# Altium PCB balenaFin_v1_x_x.PcbDoc (part 1 of 7) (continued)
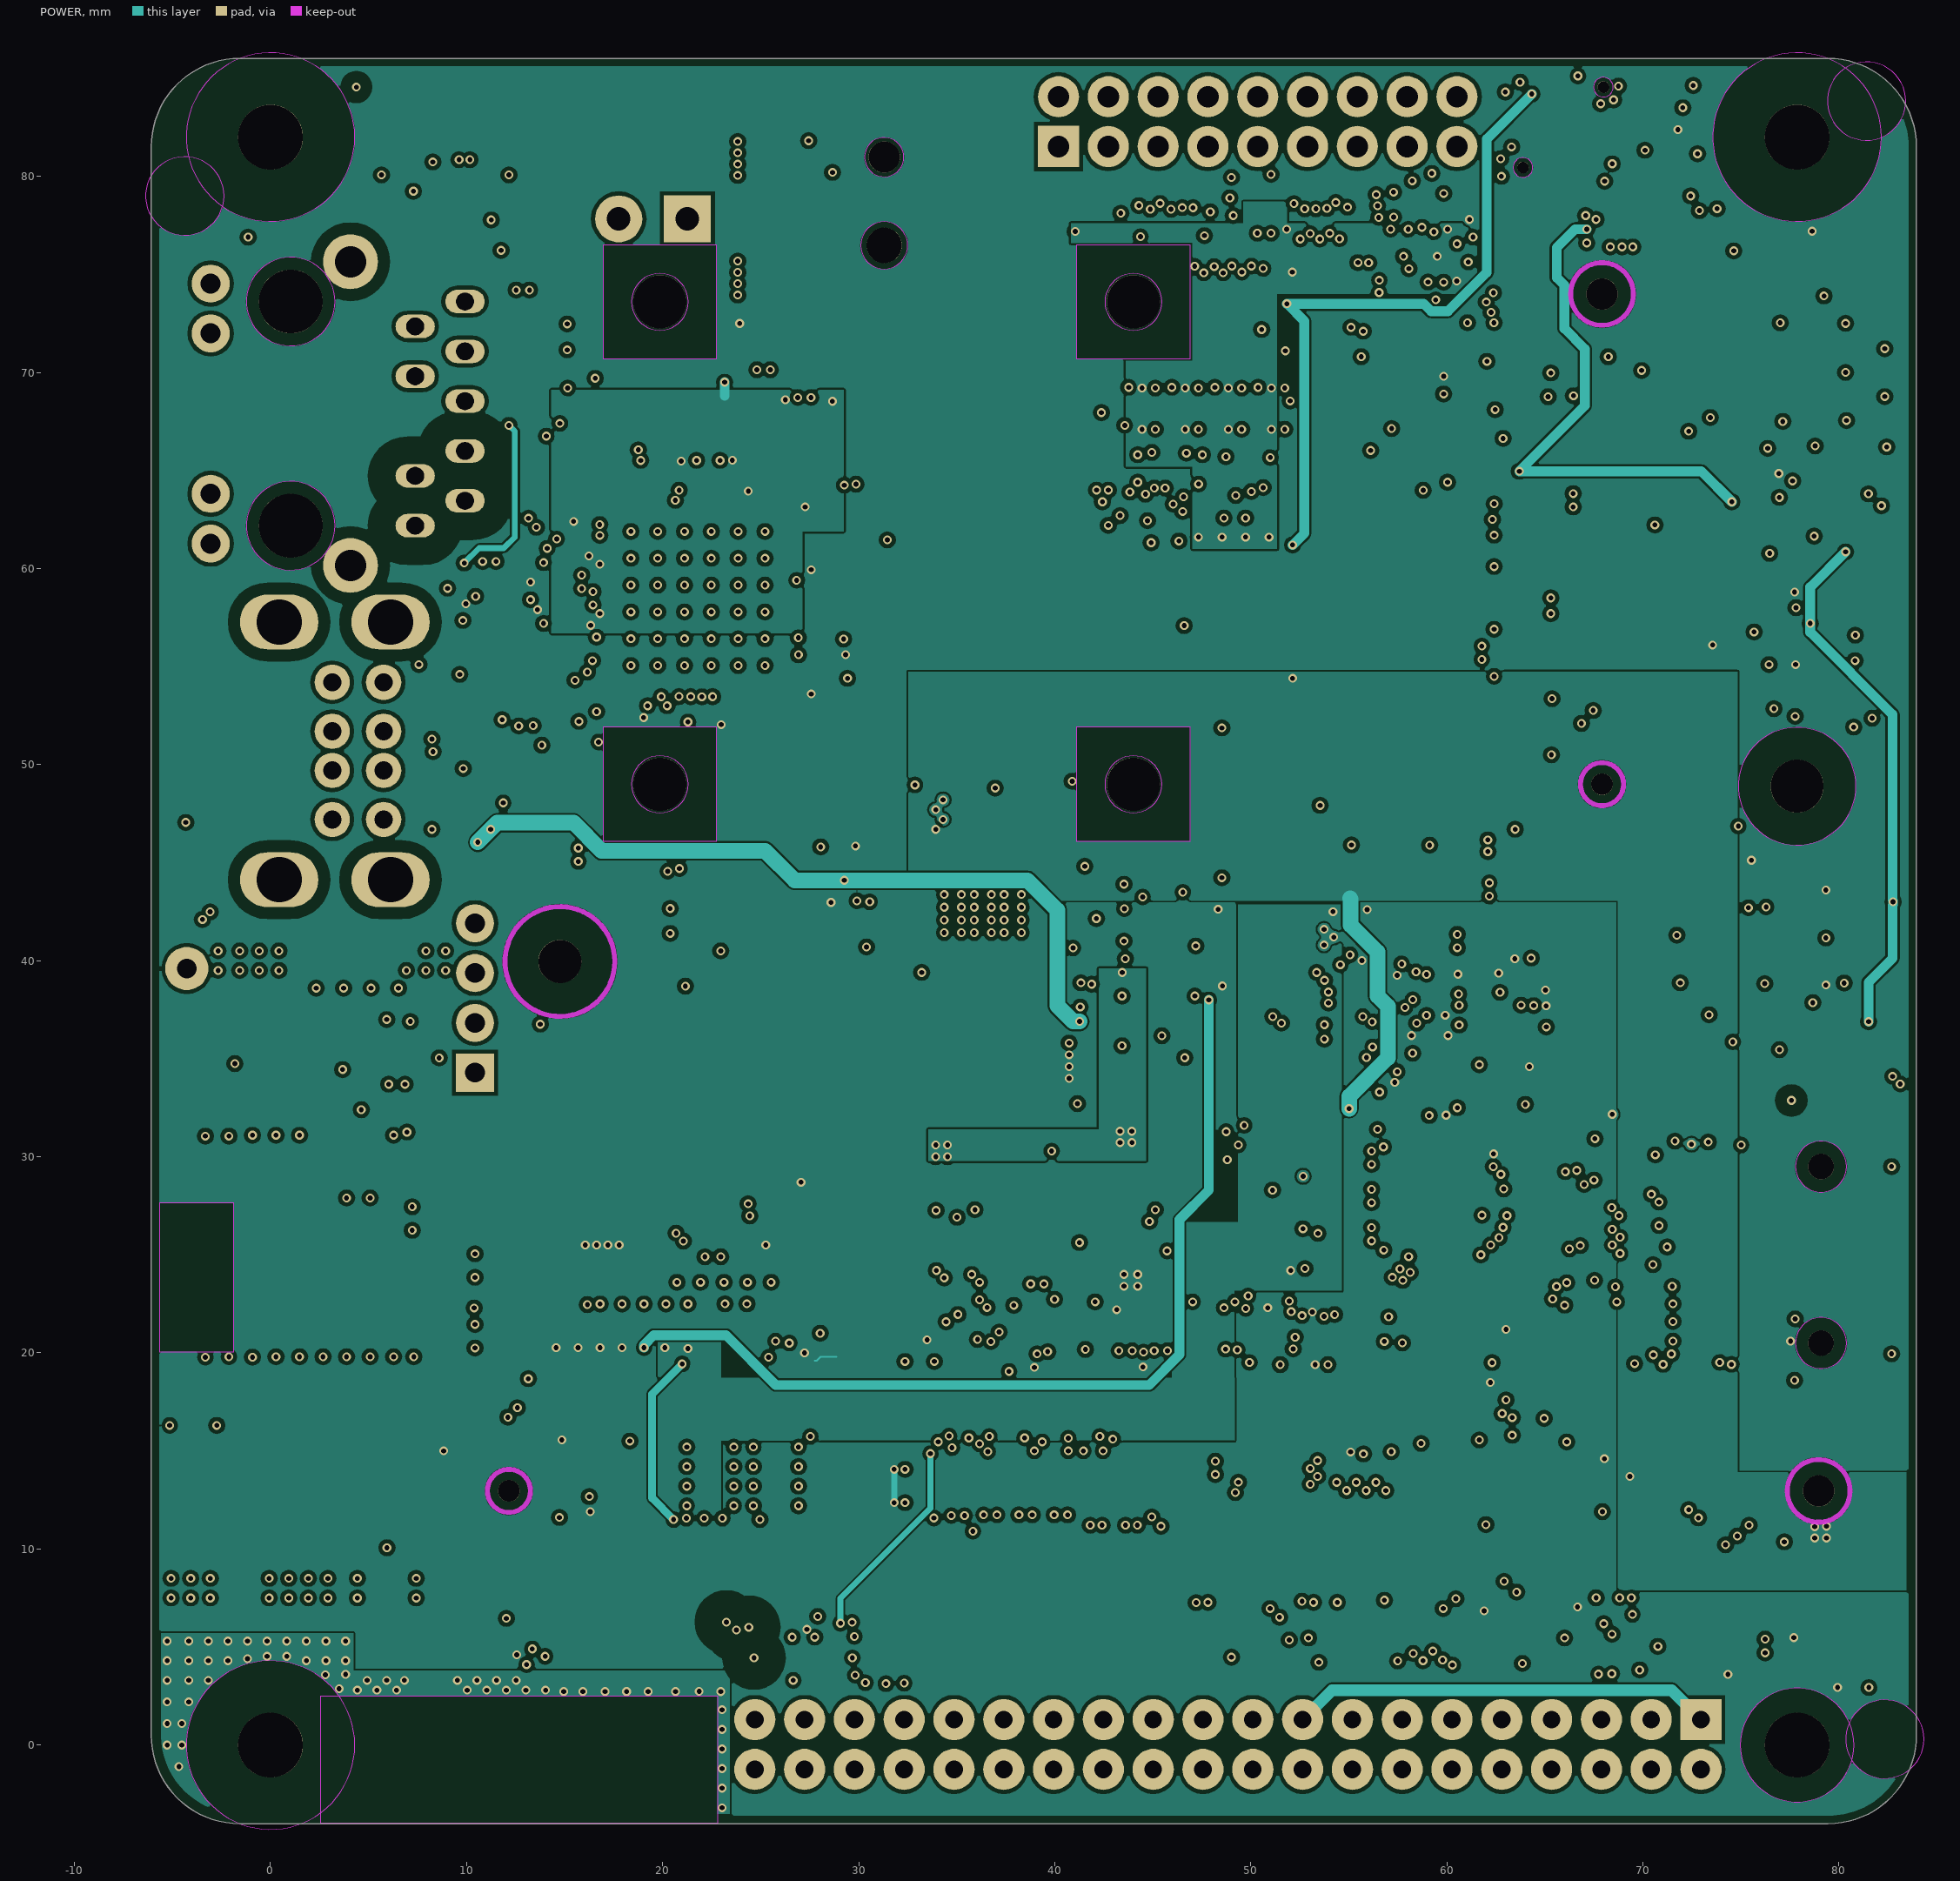
[diagram p7: POWER]

## Layer stack, top to bottom
Top Solder: solder mask 0.0102, Solder Resist, Dk 3.5
TOP: signal copper 0.018
Dielectric 1: core 0.13, FR-4, Dk 4.5
GND: signal copper 0.018
Dielectric2: core 0.254, FR-4, Dk 4.5
INT1: signal copper 0.018
Dielectric3: core 0.165, FR-4, Dk 4.5
INT2: signal copper 0.018
Dielectric4: core 0.254, FR-4, Dk 4.5
INT3: signal copper 0.018
Dielectric5: core 0.165, FR-4, Dk 4.5
INT4: signal copper 0.018
Dielectric6: core 0.254, FR-4, Dk 4.5
POWER: signal copper 0.018
Dielectric7: core 0.13, FR-4, Dk 4.5
BOTTOM: signal copper 0.018
Bottom Solder: solder mask 0.0102, Solder Resist, Dk 3.5

## Board outline
-1.57,86.013 79.43,86.013 cw(c79.43,81.5) 83.943,81.5 83.943,0.5 cw(c79.43,0.5) 79.43,-4.013 -1.57,-4.013 cw(c-1.57,0.5) -6.083,0.5 -6.083,81.5 cw(c-1.57,81.5)

## Design rules (kind name [scope] priority, off if disabled: settings)
AssemblyTestPointUsage [All] p1: allowmultiple=TRUE
AssemblyTestpoint [All] p1: testpointundercomponent=TRUE minsize=1 maxsize=2.54 preferedsize=1 minholesize=0 maxholesize=1.016 preferedholesize=0 testpointgrid=0.025 usegrid=TRUE gridtolerance=0 allowsidetop=TRUE allowsidebottom=TRUE
BoardOutlineClearance [All] p1 off: gap=0.4 ignorepadtopadclearanceinfootprint=FALSE
Clearance Clearance_PoE [InNetClass('PoE') vs InPolygon] p1: gap=1.4 ignorepadtopadclearanceinfootprint=FALSE
Clearance Clearance_Shield [InNetClass('Shield') vs InPolygon] p2: gap=0.6 ignorepadtopadclearanceinfootprint=FALSE
Clearance Clearance_RF [InNetClass('RF') vs InPolygon] p3: gap=0.28 ignorepadtopadclearanceinfootprint=FALSE
Clearance Clearance_GND_Earth [InNet('GND_EARTH') vs InPolygon] p4: gap=0.6 ignorepadtopadclearanceinfootprint=FALSE
Clearance Clearance_fiucials [InComponentClass('Fiducials')] p5: gap=0 ignorepadtopadclearanceinfootprint=FALSE
Clearance Clearance_keepout [All vs IsKeepOut] p6: gap=0 ignorepadtopadclearanceinfootprint=FALSE
Clearance Clearance_arc [All vs (IsArc AND OnLayer('multi-Layer'))] p7: gap=0 ignorepadtopadclearanceinfootprint=FALSE
Clearance Clearance_Poly_Pad [IsPad or IsVia vs InPolygon] p8: gap=0.2 ignorepadtopadclearanceinfootprint=FALSE
Clearance Clearance_Poly_Track [All vs InPolygon] p9: gap=0.1 ignorepadtopadclearanceinfootprint=FALSE
Clearance Clearance_USB_Diode [InNetClass('USB') vs InComponentClass('TPD3E001D')] p10: gap=0.05 ignorepadtopadclearanceinfootprint=FALSE
Clearance [All] p11: gap=0.1 ignorepadtopadclearanceinfootprint=FALSE
ComponentClearance [All] p1 off: gap=0.254 collisioncheckmode=3 verticalgap=0.254 showdistances=FALSE
FabricationTestPointUsage [All] p1: valid=0 allowmultiple=TRUE
FabricationTestpoint [(IsPad And (OnTopLayer Or OnBottomLayer))] p1: side=3 testpointundercomponent=TRUE minsize=1 maxsize=2 preferedsize=1 minholesize=0 maxholesize=1 preferedholesize=0 testpointgrid=0.025 allowsidetop=TRUE allowsidebottom=TRUE usegrid=TRUE gridtolerance=0
HoleSize [All] p1: absolutevalues=TRUE maxlimit=4 minlimit=0.025 maxpercent=80.000 minpercent=20.000
MinimumSolderMaskSliver MinimumSolderMaskSliver_via-pad [isVia vs IsPad] p1 off: minsoldermaskwidth=0
MinimumSolderMaskSliver [All] p2 off: minsoldermaskwidth=0.06
PlaneClearance [All] p1: clearance=0.2
PlaneConnect [All] p1: planeconnectstyle=Direct reliefexpansion=0.508 reliefentries=4 reliefconductorwidth=0.254 reliefairgap=0.254
PolygonConnect PolygonConnect_Power [(InComponentClass('02 - POWER')) or (InComponentClass('10 - ETHERNET'))] p1: connectstyle=Direct reliefconductorwidth=0.2 reliefentries=4 polygonreliefangle="90 Angle" airgapwidth=0.2
PolygonConnect [All] p2: thpad.connectstyle=Direct thpad.reliefconductorwidth=0.2 thpad.reliefentries=4 thpad.polygonreliefangle="90 Angle" thpad.airgapwidth=0.2 smdpad.connectstyle=Relief smdpad.reliefconductorwidth=0.2 smdpad.reliefentries=4 smdpad.polygonreliefangle="90 Angle" smdpad.airgapwidth=0.2 via.connectstyle=Direct via.reliefconductorwidth=0.254 via.reliefentries=4 via.polygonreliefangle="90 Angle" via.airgapwidth=0.254
RoutingVias [All] p1: holewidth=0.711 width=1.27 viastyle="Through Hole" minholewidth=0.711 minwidth=1.27 maxholewidth=0.711 maxwidth=1.27
SilkToSilkClearance [All] p1 off: silktosilkclearance=0.254
SilkToSolderMaskClearance [IsPad] p1 off: minsilkscreentomaskgap=0.254 clearancetoexposedcopper=TRUE
SolderMaskExpansion [All] p1: expansion=0.102
Width [All] p1: maxlimit=3 minlimit=0.1 preferedwidth=0.254
19 further rules are at their usual default settings.

## Classes and differential pairs
net class USB: D+_DBG D+_HOST1 D+_HOST2 D+_HOST_INT D-_DBG D-_HOST1 D-_HOST2 D-_HOST_INT DBG_UP-RX_DEV-TX DBG_UP-RX_DEV-TX_EXT DBG_UP-TX_DEV-RX DBG_UP-TX_DEV-RX_EXT USB_DBG_D+ USB_DBG_D- USB_DM USB_DP USB_HOST1_CTRL USB_HOST1_D+ USB_HOST1_D- USB_HOST2_CTRL USB_HOST2_D+ USB_HOST2_D- USB_HOST_INT_CTRL USB_HUB_D+ USB_HUB_D- USB_INT+ USB_INT- USB_MPCIE_D+ USB_MPCIE_D-
component class TPD3E001D: TVS3 TVS4 TVS5 TVS17 TVS19
net class RF: NetANT1_2 NetJ9_1 NetL10_2 RF_OUT_50OHM
component class Fiducial: FID1 FID2 FID3 FID4 FID5 FID6
net class Shield: NetC8_2 NetC89_2
net class PoE: TR00 TR01 TR02 TR03
component class "00 - REVISION": FID1 FID2 FID3 FID4 FID5 FID6
component class "10 - ETHERNET": C134 C135 C136 C137 C138 C139 C140 C147 C148 C170 C171 C172 C173 C174 C175 C176 C177 C178 C179 C180 C181 C182 C183 C184 C185 C186 C187 J20 J24 L20 L21 LD12 LD13 LD14 R162 R163 R164 R165 R169 R170 R171 R174 R175 R177 R200 R201 R202 R203 R204 R205 R206 R207 R208 R209 R212 R307 R308 TP65 TP66 TP67 TP68 TP69 U19 U22 Y2
component class "09 - mPCIE": C115 C116 C117 C118 C119 C120 C121 C122 C123 C124 C153 C154 C155 C156 C205 C206 C207 C208 C209 C211 J19 J22 LD9 LD10 LD11 R142 R143 R144 R145 R146 R147 R148 R185 R186 R187 R188 R246 R247 R248 R249 R250 TP46 TP47 TP49 TP50 TP55 TP56 TP57 TP58 TP64 TVS17
component class "08 - HAT": C113 C114 F3 F4 J18 TVS15 TVS16
component class "07 - eMMC": C107 C108 C109 C110 C111 C112 R133 R134 R135 R136 R137 R138 R139 R140 TP41 U17
component class "06 - MCU": C91 C92 C93 C204 C241 C242 DS7 DS8 DS9 DS10 DS25 DS26 DS27 DS28 F2 J14 LD8 MOD2 Q18 R118 R119 R121 R123 R128 R132 R229 R230 R231 R232 R233 R234 R235 R236 R282 R283 R284 R285 R286 R287 R288 R289 R297 R298 R311 R312 R313 R314 R315 RR2 RR3 RR4 RR13 RR14 TP70 TP71 TP72 TP84 TVS6 TVS7 TVS18 U25 U29 U30
component class "05 - USB": C63 C64 C68 C69 C70 C71 C75 C76 C77 C78 C79 C85 C86 C87 C88 C89 C232 C234 C235 C236 C237 C238 C239 C240 J11 J13 J23 LD15 LD16 LD18 Q6 R91 R92 R96 R108 R109 R113 R114 R115 R116 R117 R153 R210 R211 R294 R295 R296 TVS3 TVS4 TVS5 TVS19 U10 U12 U13 U28
component class "04 - MIPI INTERFACE": C11 C12 C61 C243 C244 C245 DS1 DS4 DS5 DSW2 J3 J10 L2 L3 L4 L11 L12 L13 Q20 Q21 R7 R10 R23 R24 R25 R26 R81 R82 R83 R84 R85 R86 R87 R88 R309 R316 R317 R318 R319 TVS2 U31 U32 U33
component class "03 - WIFI - BLE": ANT1 C60 C189 C190 C191 C192 C193 C194 C195 C196 C197 C198 C199 C201 C202 C210 C231 DSW1 J9 L10 L22 MOD1 R218 R219 R220 R221 R222 R224 R240 R275 RR15 U26 Y5
component class "02 - POWER": C27 C28 C39 C40 C42 C43 C149 C150 C151 C152 C212 C213 C214 C215 C216 C217 C218 C219 C220 C221 C222 C223 C224 C225 C226 C227 C228 C229 C230 DS2 DS3 DS32 DS33 F1 J7 J21 L23 L24 LD4 LD5 Q13 Q14 Q15 Q16 Q17 R35 R37 R42 R46 R49 R52 R66 R67 R180 R182 R251 R252 R253 R254 R255 R256 R257 R258 R259 R260 R262 R263 R264 R265 R266 R267 R268 R269 R270 R271 R272 R273 R274 TP21 TVS1 U2 U5 U6 U20 U27 XJ21
component class "01 - CML3 CONNECTOR": BAT1 C1 C2 C3 C4 C5 C6 C7 C8 C9 C10 C13 C14 C15 C16 C17 C18 C19 C20 C21 C22 C23 C24 C25 C26 C188 J1 J2 L1 LD17 Q1 Q2 Q3 R1 R2 R3 R4 R5 R6 R8 R9 R11 R12 R13 R14 R15 R16 R17 R18 R19 R20 R21 R22 R28 R29 R31 R32 R183 R184 R237 R243 R244 R245 R293 TP1 TP2 TP3 TP4 TP5 TP6 TP59 TP60 TP61 TP62 TP63 U1 U23 XBAT1 Y4

## Components (designator, comment, footprint, x,y, rotation, side; value= is the part's Value field where it differs from the comment)
ANT1 "AH104N2450D1-T" ANT-AH104N 8.56,-1 r180 top locked
BAT1 "SMTU1225-LF" BAT-SMTU1225 57.117,59.15 r180 top locked
C1 "10nF/50V" CS-C-0402#1 76.8,21.28 r90 bottom locked
C2 "10uF/6.3V-X5R" CS-C-0402#1 75.68,21.28 r90 bottom locked
C3 "100nF/50V" CS-C-0402#1 76.66,36.69 r0 top locked
C4 "100nF/50V" CS-C-0402#1 66,6.59 r90 bottom locked
C5 "10uF/6.3V-X5R" CS-C-0402#1 65.81,21.28 r90 bottom locked
C6 "100nF/50V" CS-C-0402#1 61.24,6.39 r90 bottom locked
C7 "10uF/6.3V-X5R" CS-C-0402#1 61.05,21.28 r90 bottom locked
C8 "10nF/1kV" CS-C-1206#1 80.87,35.73 r180 top locked
C9 "100nF/50V" CS-C-0402#1 66.66,22.49 r270 top locked
C10 "100nF/50V" CS-C-0402#1 69.3,22.49 r270 top locked
C11 "100nF/50V" CS-C-0402#1 58.46,32.68 r270 top locked
C12 "100nF/50V" CS-C-0402#1 57.34,32.68 r270 top locked
C13 "100nF/50V" CS-C-0402#1 21.29,5.49 r90 bottom locked
C14 "10uF/6.3V-X5R" CS-C-0402#1 21.29,21.38 r90 bottom locked
C15 "100nF/50V" CS-C-0402#1 20.17,5.49 r90 bottom locked
C16 "10uF/6.3V-X5R" CS-C-0402#1 20.17,21.38 r90 bottom locked
C17 "100nF/50V" CS-C-0402#1 19.05,5.49 r90 bottom locked
C18 "10uF/6.3V-X5R" CS-C-0402#1 19.05,21.38 r90 bottom locked
C19 "100nF/50V" CS-C-0402#1 17.93,5.49 r90 bottom locked
C20 "10uF/6.3V-X5R" CS-C-0402#1 17.93,21.38 r90 bottom locked
C21 "100nF/50V" CS-C-0402#1 16.81,5.49 r90 bottom locked
C22 "10uF/6.3V-X5R" CS-C-0402#1 16.81,21.38 r90 bottom locked
C23 "100nF/50V" CS-C-0402#1 15.69,5.49 r90 bottom locked
C24 "10uF/6.3V-X5R" CS-C-0402#1 15.69,21.38 r90 bottom locked
C25 "100nF/50V" CS-C-0402#1 14.57,5.49 r90 bottom locked
C26 "10uF/6.3V-X5R" CS-C-0402#1 14.57,21.38 r90 bottom locked
C27 "1uF/16V-X5R" CS-C-0402#1 52.74,49.4 r270 top locked
C28 "1uF/16V-X5R" CS-C-0402#1 49.34,51.42 r90 top locked
C39 "1uF/16V-X5R" CS-C-0402#1 52.74,41.76 r270 top locked
C40 "1uF/16V-X5R" CS-C-0402#1 49.34,43.78 r90 top locked
C42 "1uF/16V-X5R" CS-C-0402#1 60.24,42.72 r270 top locked
C43 "1uF/16V-X5R" CS-C-0402#1 56.84,44.74 r90 top locked
C60 "DNP" CS-C-0402#1 8.12,3.06 r180 top locked
C61 "100nF/50V" CS-C-0402#1 58.37,17.36 r180 top locked
C63 "100nF/50V" CS-C-0402#1 10.12,46.7 r180 top locked
C64 "100nF/50V" CS-C-0402#1 10.12,51.92 r180 top locked
C68 "DNP" CS-C-0402#1 9.07,47.69 r270 bottom locked
C69 "DNP" CS-C-0402#1 9.07,49.91 r90 bottom locked
C70 "100nF/50V" CS-C-0402#1 8.233,52.5 r270 top locked
C71 "10nF/1kV" CS-C-1206#1 3.07,65.95 r0 bottom locked
C75 "100nF/50V" CS-C-0402#1 13.11,53.34 r0 top locked
C76 "100nF/50V" CS-C-0402#1 11.75,58.58 r180 top locked
C77 "DNP" CS-C-0402#1 9.07,51.93 r270 bottom locked
C78 "DNP" CS-C-0402#1 9.07,54.15 r90 bottom locked
C79 "100nF/50V" CS-C-0402#1 8.233,54.65 r90 top locked
C85 "100nF/50V" CS-C-0402#1 12.6,58.86 r270 bottom locked
C86 "DNP" CS-C-0402#2 8.86,78.97 r0 bottom locked
C87 "DNP" CS-C-0402#1 10.88,78.97 r0 bottom locked
C88 "100nF/50V" CS-C-0402#1 11.33,78.58 r0 top locked
C89 "10nF/1kV" CS-C-1206#2 6.78,84.26 r0 bottom locked
C91 "100nF/50V" CS-C-0402#1 -3.39,32.74 r0 bottom locked
C92 "100nF/50V" CS-C-0402#2 -1.37,32.74 r0 bottom locked
C93 "10uF/6.3V-X5R" CS-C-0402#2 -1.37,33.86 r0 bottom locked
C107 "1uF/16V-X5R" CS-C-0402#1 66.7,31.37 r90 bottom locked
C108 "100nF/50V" CS-C-0402#1 65.5,31.37 r90 bottom locked
C109 "100nF/50V" CS-C-0402#1 59.03,35.73 r90 top locked
C110 "2.2uF/6.3V-X5R" CS-C-0402#1 64.32,38.95 r270 top locked
C111 "100nF/50V" CS-C-0402#1 63.94,36.52 r0 top locked
C112 "2.2uF/6.3V-X5R" CS-C-0402#1 61.72,38.86 r90 top locked
C113 "10uF/10V-X5R" CS-C-0603#1 80.72,3.69 r0 bottom locked
C114 "10uF/10V-X5R" CS-C-0603#1 81.73,9.8 r0 top locked
C115 "10uF/10V-X5R" CS-C-0603#2 65.425,78.355 r0 bottom locked
C116 "10uF/10V-X5R" CS-C-0603#1 59.535,78.355 r0 bottom locked
C117 "100nF/50V" CS-C-0402#1 63.14,78.715 r90 bottom locked
C118 "100nF/50V" CS-C-0402#1 61.82,78.715 r90 bottom locked
C119 "100nF/50V" CS-C-0402#1 75.13,66.13 r0 bottom locked
C120 "100nF/50V" CS-C-0402#1 75.13,64.81 r0 bottom locked
C121 "100nF/50V" CS-C-0402#2 75.03,54.17 r0 bottom locked
C122 "100nF/50V" CS-C-0402#2 75.03,52.85 r0 bottom locked
C123 "100nF/50V" CS-C-0402#1 61.73,44.93 r0 bottom locked
C124 "100nF/50V" CS-C-0402#2 63.93,44.93 r0 bottom locked
C134 "10nF/1kV" CS-C-1206#1 5.26,41 r180 top locked
C135 "22nF/50V" CS-C-0603#1 15.13,65.1 r0 bottom locked
C136 "15pF/50V-NP0" CS-C-0402#1 13.62,72.47 r0 bottom locked
C137 "15pF/50V-NP0" CS-C-0402#1 13.62,71.15 r0 bottom locked
C138 "15pF/50V-NP0" CS-C-0402#1 13.62,68.71 r0 bottom locked
C139 "15pF/50V-NP0" CS-C-0402#1 13.62,67.29 r0 bottom locked
C140 "100nF/50V" CS-C-0402#1 25.84,46.03 r0 top locked
C147 "33pF/50V-C0G" CS-C-0402#1 22.59,68.26 r270 top locked
C148 "33pF/50V-C0G" CS-C-0402#1 17.27,68.26 r90 top locked
C149 "1uF/16V-X5R" CS-C-0402#1 44.02,24.87 r0 top locked
C150 "10uF/6.3V-X5R" CS-C-0402#1 44.22,28.77 r0 top locked
C151 "10uF/6.3V-X5R" CS-C-0402#1 44.22,29.89 r0 top locked
C152 "100nF/50V" CS-C-0402#1 41.23,29.22 r90 top locked
C153 "33pF/50V-C0G" CS-C-0402#1 81.63,72.5 r0 bottom locked
C154 "33pF/50V-C0G" CS-C-0402#1 81.73,70 r0 bottom locked
C155 "33pF/50V-C0G" CS-C-0402#1 81.73,67.5 r0 bottom locked
C156 "33pF/50V-C0G" CS-C-0402#1 78.33,67.5 r0 bottom locked
C170 "100nF/50V" CS-C-0402#1 15.13,60.3 r0 bottom locked
C171 "100nF/50V" CS-C-0402#1 15.23,57.7 r0 bottom locked
C172 "100nF/50V" CS-C-0402#1 27.27,64.4 r270 top locked
C173 "100nF/50V" CS-C-0402#1 25.03,64.4 r270 top locked
C174 "100nF/50V" CS-C-0402#1 23.13,64.4 r270 top locked
C175 "100nF/50V" CS-C-0402#1 21.53,64.4 r270 top locked
C176 "100nF/50V" CS-C-0402#1 16.63,64.4 r270 top locked
C177 "100nF/50V" CS-C-0402#1 28.03,60.6 r0 top locked
C178 "100nF/50V" CS-C-0402#1 28.03,59.3 r0 top locked
C179 "100nF/50V" CS-C-0402#1 28.03,54.4 r0 top locked
C180 "100nF/50V" CS-C-0402#1 22.33,52.7 r180 top locked
C181 "100nF/50V" CS-C-0402#1 17.73,52.7 r180 top locked
C182 "100nF/50V" CS-C-0402#1 28.03,56.8 r0 top locked
C183 "100nF/50V" CS-C-0402#1 15.23,55.3 r0 bottom locked
C184 "4.7uF/6.3V-X5R" CS-C-0402#1 28.03,58.1 r0 top locked
C185 "1uF/16V-X5R" CS-C-0402#1 19.03,64.4 r270 top locked
C186 "100nF/50V" CS-C-0402#1 28.03,61.8 r0 top locked
C187 "10nF/50V" CS-C-0402#1 15.23,56.5 r0 bottom locked
C188 "100nF/50V" CS-C-0402#1 51.84,72.22 r270 top locked
C189 "10uF/6.3V-X5R" CS-C-0402#1 31.91,11.59 r180 top locked
C190 "10uF/6.3V-X5R" CS-C-0402#1 26.79,7.94 r270 top locked
C191 "10uF/6.3V-X5R" CS-C-0402#1 16.97,12.22 r270 top locked
C192 "10uF/6.3V-X5R" CS-C-0402#1 31.91,14.72 r180 top locked
C193 "10uF/6.3V-X5R" CS-C-0402#1 28.19,19.56 r270 top locked
C194 "10uF/6.3V-X5R" CS-C-0402#1 27.91,7.94 r90 top locked
C195 "10uF/6.3V-X5R" CS-C-0402#1 31.91,16.22 r180 top locked
C196 "10uF/6.3V-X5R" CS-C-0402#1 19.47,19.09 r0 top locked
C197 "10uF/6.3V-X5R" CS-C-0402#1 26.61,4.39 r90 bottom locked
C198 "10uF/6.3V-X5R" CS-C-0402#1 27.73,4.39 r90 bottom locked
C199 "10uF/6.3V-X5R" CS-C-0402#1 29.03,7.94 r90 top locked
C201 "DNP" CS-C-0402#1 8.12,6.2 r180 top locked
C202 "0.6pF/50V-C0G" CS-C-0402#1 8.57,4.63 r270 top locked
C204 "100nF/50V" CS-C-0402#1 69.33,82.83 r90 bottom
C205 "100uF/10V-X5R" CS-C-1210#1 80.63,55.2 r0 bottom locked
C206 "100uF/10V-X5R" CS-C-1210#1 80.63,59.3 r0 bottom locked
C207 "22uF/25V-X5R" CS-C-1206#2 76.13,74.6 r0 bottom locked
C208 "22uF/25V-X5R" CS-C-1206#1 73.03,42.8 r270 bottom locked
C209 "22uF/25V-X5R" CS-C-1206#1 75.53,42.8 r270 bottom locked
C210 "100nF/50V" CS-C-0402#1 13.83,11.3 r90 top locked
C211 "100nF/50V" CS-C-0402#1 71.53,54.2 r0 top locked
C212 "DNP" CS-C-0402#1 44.93,45.08 r180 top locked
C213 "220pF/50V" CS-C-0402#1 46.53,44.6 r270 top locked
C214 "10nF/50V" CS-C-0402#1 46.03,42.84 r180 top locked
C215 "10nF/50V" CS-C-0402#1 44.83,41.72 r180 top locked
C216 "220pF/50V" CS-C-0402#1 46.53,41.2 r270 top locked
C217 "DNP" CS-C-0402#1 46.03,39.48 r180 top locked
C218 "DNP" CS-C-0402#1 37.33,39.2 r180 top locked
C219 "DNP" CS-C-0402#1 34.73,39.2 r0 top locked
C220 "4.7pF/50V-C0G" CS-C-0402#1 40.33,41.1 r90 top locked
C221 "4.7pF/50V-C0G" CS-C-0402#1 40.33,43.7 r270 top locked
C222 "22uF/25V-X5R" CS-C-1206#1 33.605,47.5 r180 top locked
C223 "100nF/50V" CS-C-0603#1 34.33,45.5 r180 top locked
C224 "22uF/25V-X5R" CS-C-1206#1 38.605,47.5 r0 top locked
C225 "100nF/50V" CS-C-0603#1 37.88,45.5 r0 top locked
C226 "1uF/16V-X5R" CS-C-0402#1 39.85,39 r0 top locked
C227 "22uF/10V/X5R" CS-C-0603#1 37.73,33.3 r180 top locked
C228 "22uF/10V/X5R" CS-C-0603#1 37.73,31.9 r180 top locked
C229 "22uF/10V/X5R" CS-C-0603#1 34.53,33.3 r0 top locked
C230 "22uF/10V/X5R" CS-C-0603#1 34.53,31.9 r0 top locked
C231 "10nF/50V" CS-C-0402#1 20.68,21.35 r180 top locked
C232 "100uF/10V-X5R" CS-C-1210#1 -2.67,53.6 r0 bottom locked
C234 "100uF/10V-X5R" CS-C-1210#1 -2.67,49.9 r0 bottom locked
C235 "100nF/50V" CS-C-0402#1 28.24,40.08 r0 top locked
C236 "100nF/50V" CS-C-0402#1 13.84,33.32 r90 top locked
C237 "DNP" CS-C-0402#1 12.47,44.54 r270 top locked
C238 "DNP" CS-C-0402#1 12.47,46.36 r90 top locked
C239 "100nF/50V" CS-C-0402#1 12.62,33.32 r90 top locked
C240 "100uF/10V-X5R" CS-C-1210#2 29.36,31.86 r0 top locked
C241 "100nF/50V" CS-C-0402#1 24.56,25.3 r270 top locked
C242 "100nF/50V" CS-C-0402#1 62.15,75.42 r90 top locked
C243 "100nF/50V" CS-C-0402#1 55.86,38.8 r270 bottom locked
C244 "100nF/50V" CS-C-0402#1 32.76,18.1 r270 top locked
C245 "100nF/50V" CS-C-0402#1 38.68,18 r270 top locked
DS1 "BAV99BRVA-7" SOT563 46.21,18.17 r90 top locked
DS2 "CDBC560-G" SMC 33.02,66.29 r90 top locked
DS3 "CDBC560-G" SMC 40.02,66.29 r90 top locked
DS4 "BAV99BRVA-7" SOT563 53.28,21.96 r180 top locked
DS5 "BAV99BRVA-7" SOT563 53.28,19.34 r0 top locked
DS7 "BAV99BRVA-7" SOT563 51.05,67.12 r0 top locked
DS8 "BAV99BRVA-7" SOT563 48.85,67.12 r0 top locked
DS9 "BAV99BRVA-7" SOT563 46.65,67.12 r0 top locked
DS10 "BAV99BRVA-7" SOT563 44.45,67.12 r0 top locked
DS25 "BAV99BRVA-7" SOT563 51.05,69.22 r0 top locked
DS26 "BAV99BRVA-7" SOT563 48.85,69.22 r180 top locked
DS27 "BAV99BRVA-7" SOT563 46.65,69.22 r180 top locked
DS28 "BAV99BRVA-7" SOT563 44.45,69.22 r180 top locked
DS32 "1A/60V" SMA 33.53,54.8 r270 top locked
DS33 "1A/60V" SMA 14.46,78.06 r90 bottom locked
DSW1 "CHS-01TB" DSS-CHS-01TB#1 2.13,8 r90 top locked
DSW2 "CHS-01TB" DSS-CHS-01TB#2 52.26,35.04 r0 bottom locked
F1 "0154003-DR" F-LT154 36.72,59.14 r0 top locked
F2 "0.1A/15V" FS-0603#1 40.1,78.04 r270 top locked
F3 "0.5A/6V" FS-0603#2 77.68,3.69 r0 bottom locked
F4 "0154003-DR" F-LT154 77.83,6.2 r0 top locked
FID1 "TPS" FIDUCIAL -4.37,79 r0 top locked
FID2 "TPS" FIDUCIAL 82.33,0.3 r0 top locked
FID3 "TPS" FIDUCIAL 82.33,0.3 r0 bottom locked
FID4 "TPS" FIDUCIAL -4.37,79 r0 bottom locked
FID5 "TPS" FIDUCIAL 81.4,83.84 r0 top locked
FID6 "TPS" FIDUCIAL 81.4,83.84 r0 bottom locked
J1 "HDMI-TypeA" J-19-0050-FOS-HDMI-A-CNCTECH 79.98,25 r90 top locked
J2 "SODIMM-CM3L-1473005-4" J-200-0060-MOS-1473005-4 45.56,13.06 r0 bottom locked
J3 "1-1734248-5" J-15X2-0100-FDS-ZIF 68.158,41 r90 top locked
J7 "PJ-002AH-SMT" J-CUPJ002AH 31.3,80.98 r270 top locked
J9 "uFL-R-SMT-1-10" J-3-MDS-UFL 12.14,6.46 r180 top locked
J10 "1-1734248-5" J-15X2-0100-FDS-ZIF 62.288,24.5 r90 top locked
J11 "USB TYPE A - 1002-004-01010" J-8-0200-FOT-USB-A-2X 5.77,50.7 r90 top locked
J13 "MICROUSB-B" J-5-0065-FOS-MICROUSB10118192 9.56,82 r180 top locked
J14 "PIN-HEADER-uC" J-9X2-0254-MDT 40.19,81.52 r0 top locked
J18 "PIN-HEADER-HAT" J-20X2-0254-MDT 72.96,1.3 r180 top locked
J19 "mPCIE-52P" J-26X2-0080-FOS-2041119 67.91,61.3 r270 bottom locked
J20 "RJ45-7499410213" J-RJ45-7499410213 -9.86,67.9 r90 top locked
J21 "1920943" J-2-0350-MOT-MC 21.26,77.83 r90 top locked
J22 "NanoSIM" J-NANOSIM-SF72S006VBA 70.93,69.44 r90 top locked
J23 "PIN-HEADER-USB" J-4-0254-MDT 10.43,36.83 r90 top locked
J24 "PIN-HEADER-POE" J-2X2-0254-MDT-TSM 19.86,6.123 r90 top locked
L1 "BLM15PX121SN1D" LS-0402 70.62,22.49 r270 top locked
L2 "LCFE080602G900TG" LCFE080602G900TG 63.72,45.58 r270 top
L3 "LCFE080602G900TG" LCFE080602G900TG 63.72,43.63 r270 top
L4 "LCFE080602G900TG" LCFE080602G900TG 63.72,41.68 r270 top
L10 "L-07C2N2SV6T" LS-0402 8.12,9.34 r0 top locked
L11 "LCFE080602G900TG" LCFE080602G900TG 57.69,29.95 r90 top
L12 "LCFE080602G900TG" LCFE080602G900TG 57.69,28 r90 top
L13 "LCFE080602G900TG" LCFE080602G900TG 57.69,26.05 r90 top
L20 "BLM18PG121SN1D" LS-0603 23.93,70.7 r270 top locked
L21 "BLM18PG121SN1D" LS-0603 28.53,64.2 r270 top locked
L22 "DNP" LS-0402 8.57,7.77 r270 top locked
L23 "1uH/5A" LS-VIIHLP1212BZ11 37.93,36.3 r270 top locked
L24 "1uH/5A" LS-VIIHLP1212BZ11 34.33,36.3 r270 top locked
LD4 "LED_5V" LD-0603 82.43,63.2 r90 top locked
LD5 "LED_3.3V" LD-0603 82.43,60.1 r90 top locked
LD8 "ASMT-YTB7-0AA02" LD-PLCC6-GUIDAVLP 65.93,82.5 r0 top locked
LD9 "LED_WAN" LD-0603 82.43,38.4 r90 top locked
LD10 "LED_LAN" LD-0603 82.43,41.5 r90 top locked
LD11 "LED_PAN" LD-0603 82.43,44.6 r270 top locked
LD12 "LED_LNK" LD-0603 82.43,47.7 r270 top locked
LD13 "LED_SPD" LD-0603 82.43,53.9 r90 top locked
LD14 "LED_FDX" LD-0603 82.43,50.8 r90 top locked
LD15 "LED_USB_1" LD-0603 13.84,49.31 r270 top locked
LD16 "LED_USB_2" LD-0603 15.07,55.87 r270 top locked
LD17 "LED_ACT" LD-0603 82.43,57 r90 top locked